# KiCad board panel.kicad_pcb (continued)
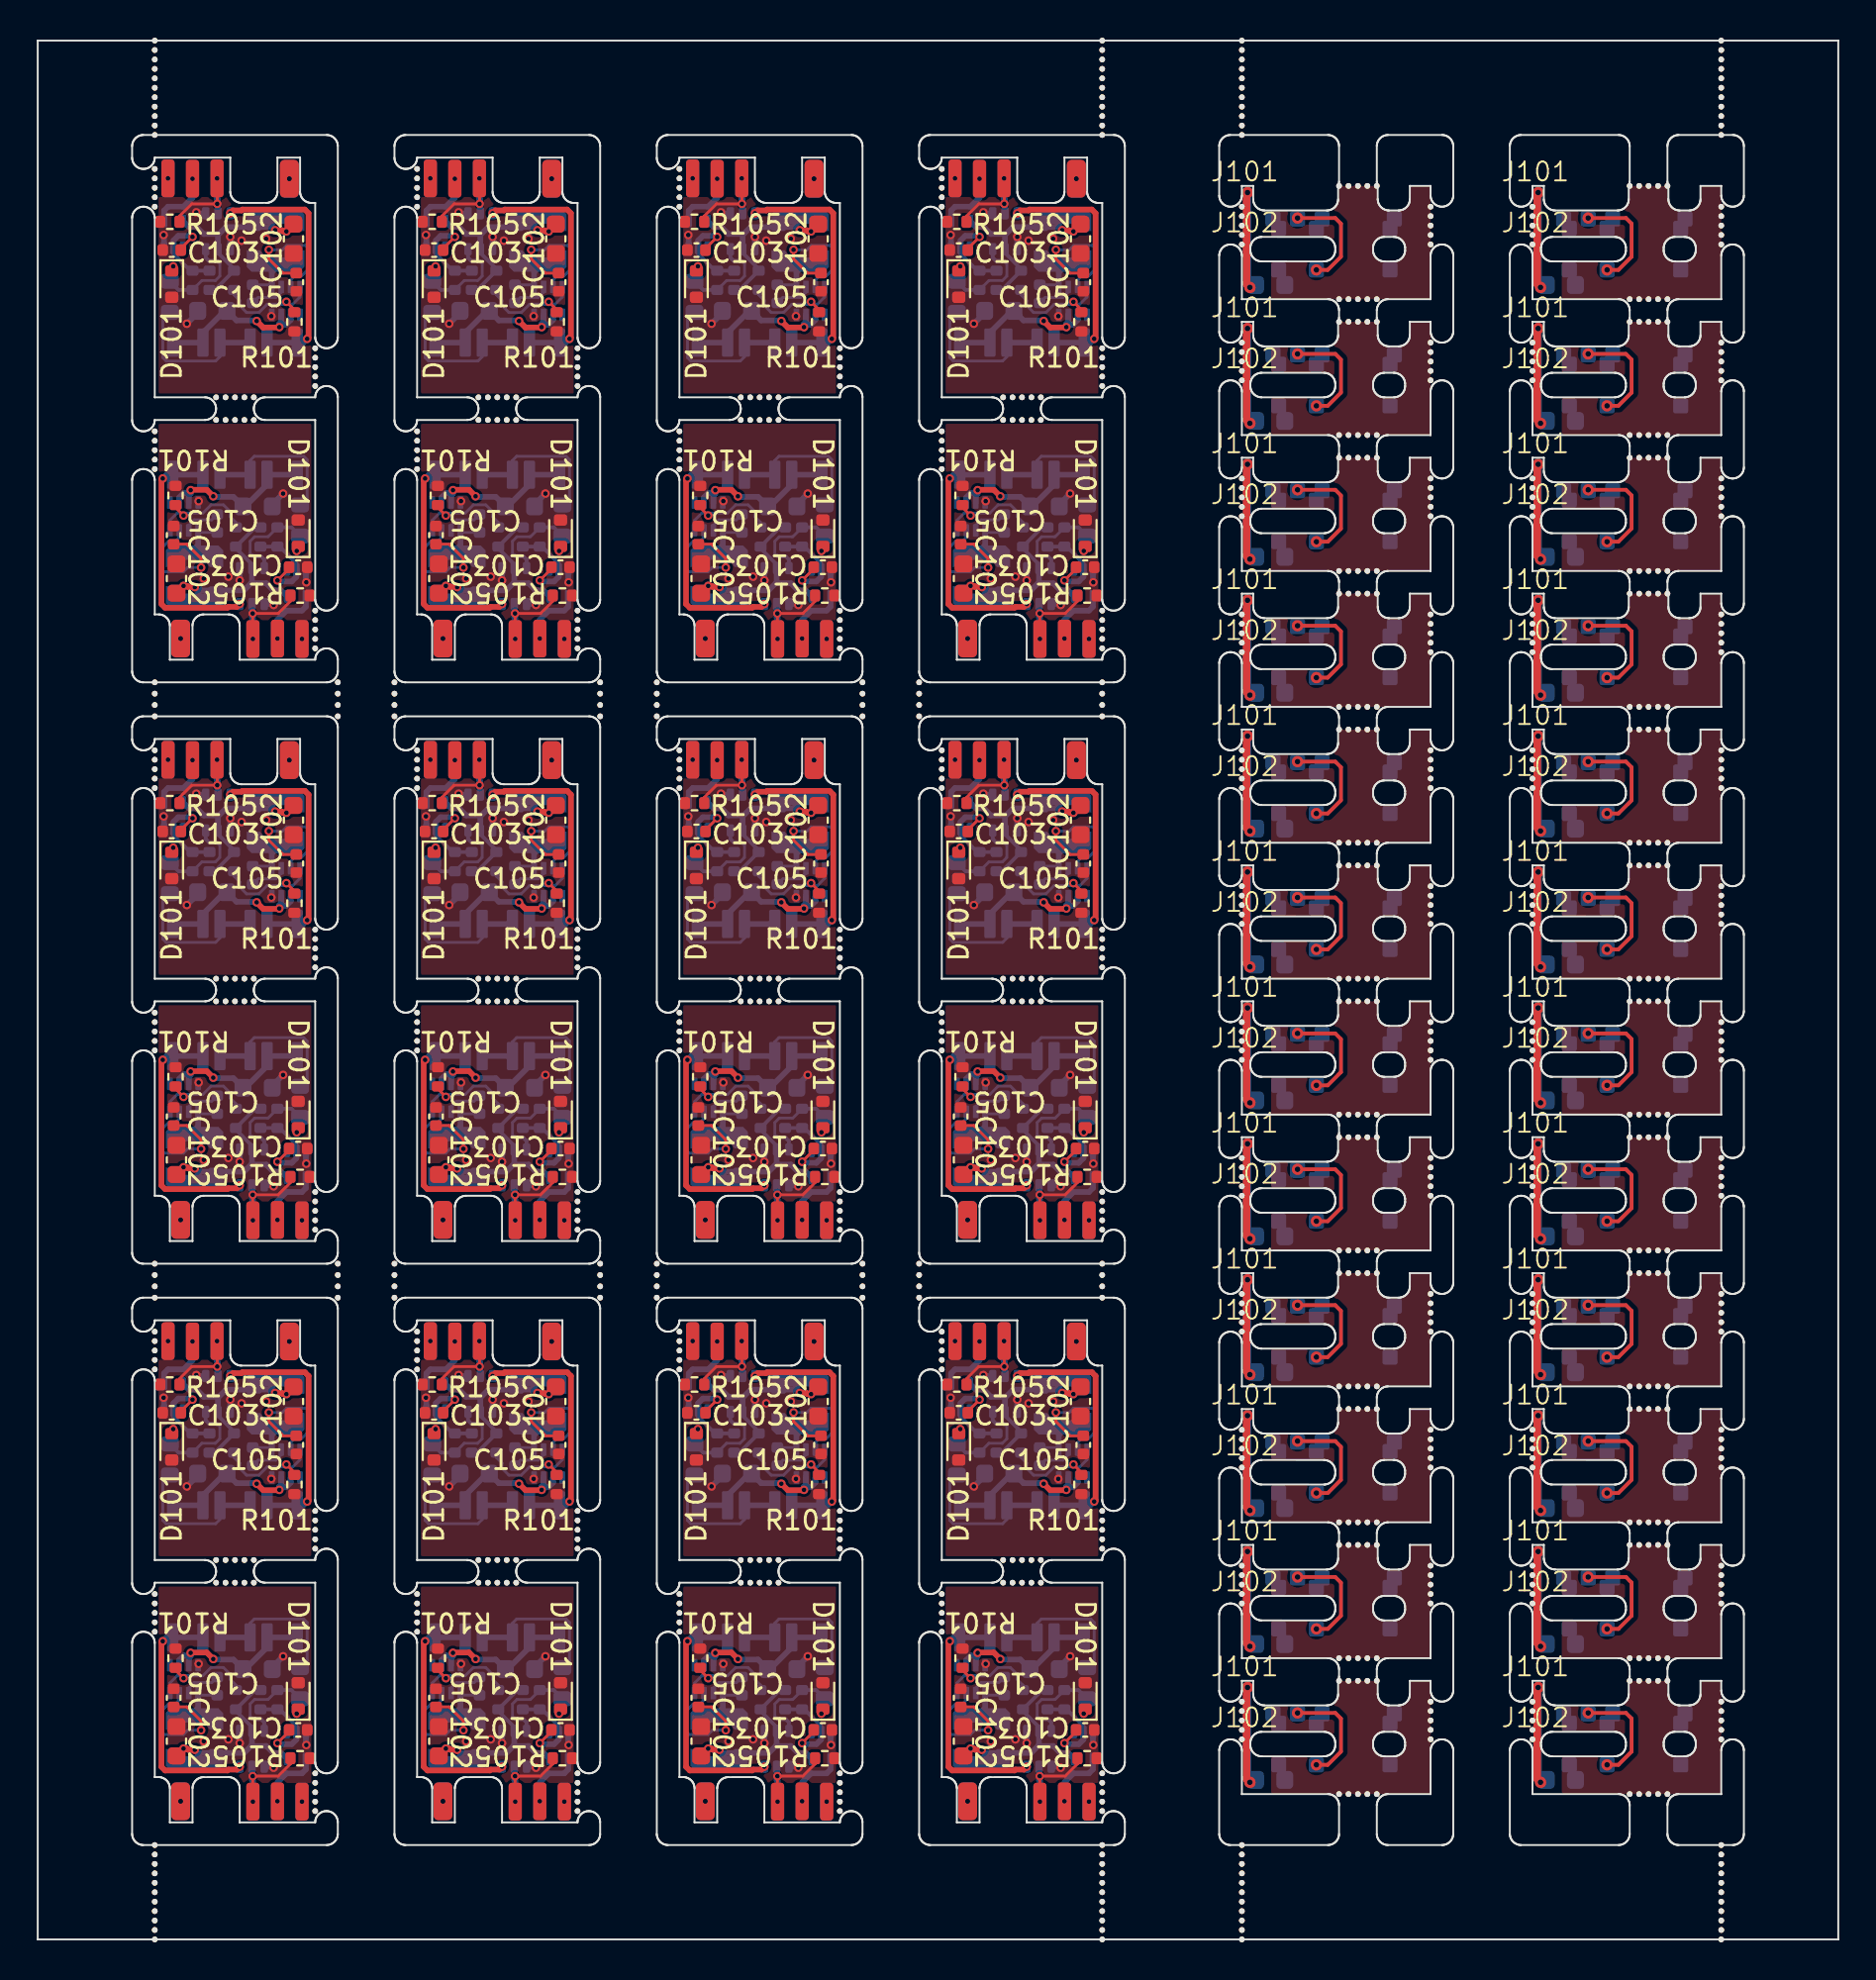
[diagram p0: board, top side]
## Routing (per net, layer and track width the routed paths; a pad name or vN(x,y) marks a point on that pad's centre or on a via; arc(x,y) is an arc through that point) (continued)
Board_0-Board_0-Board_6-/IO4: length 5.9
  Top w0.15: v1(39.19,70.25) 39.19,68.91 v1(39.2,68.9) ; v1(39.19,70.25) 39.19,70.35 ; v1(39.19,70.25) 40.54,70.25 41.19,70.9 R105#16.1
  Bottom w0.3: v1(39.2,68.9) 39.2,70 39.15,70.05 Q102#19.5
Board_0-Board_0-Board_6-/IO5: length 3.3
  Bottom w0.3: U102#6.4 42.01,70.61 41.8,70.4 40.98,70.4 40.5,69.92 v1(40.5,68.92)
Board_0-Board_0-Board_6-/SW: length 2.3
  Bottom w0.15: U103#6.5 36.41,74.54 C104#16.2
  Bottom w0.3: L101#20.1 36.1,73.67 36.3,73.87 U103#6.5
Board_0-Board_0-Board_6-/V+: length 8.7
  Top w0.3: v1(37.1,76.46) 36.76,76.8 35.92,76.8 v1(35.9,76.78)
  Bottom w0.3: H101#18.1 H101#18.1 39.95,77.07 38.8,75.92 C101#7.1 38.17,76.43 37.13,76.43 v1(37.1,76.46) ; U103#6.2 35.3,76.4 35.54,76.64 35.76,76.64 v1(35.9,76.78) 35.9,76.6 35.8,76.5 U103#6.3
Board_0-Board_0-Board_6-/V-: length 13.2
  Top w0.3: v1(34.42,77.4) 34.35,77.33 34.35,70.75 34.55,70.55 37.85,70.55 37.9,70.6 38.35,70.6 v1(38.5,70.75)
  Bottom w0.3: v1(34.42,77.4) 34.63,77.6 H103#19.1 H103#19.1
Board_0-Board_0-Board_6-GND: length 2.9
  Bottom w0.2: v1(36.33,76.2) 36.3,76.17 U103#6.4
  Bottom w0.3: v1(42.03,71.9) 42.01,71.92 U102#6.3 ; Q102#19.1 v1(38.5,72) ; C101#7.2 40.23,76.02 v1(40.8,76.6) ; v1(40.3,70.7) 40.25,70.75 Q102#19.4
  vias: v1(36.6,72.1) v1(37.9,72.2) v1(41.8,68.9)
Board_0-Board_0-Board_6-Net-(U103-SS): length 7.2
  Top w0.15: v1(36.45,72.68) 36.45,73.17 35.7,73.92 C105#19.1
  Bottom w0.15: v1(36.45,72.68) 35.74,72.68 35.52,72.46 34.5,72.46 34.34,72.61 34.34,73.69 34.73,74.08 35.1,74.08 35.3,74.28 U103#6.7
Board_0-Board_0-Board_7-+3V3: length 10.3
  Top w0.3: v1(49.42,71.71) 49.61,71.71 49.67,71.65 v1(50.02,71.65)
  Bottom w0.2: R106#3.1 53.22,74.81 R104#9.1 52.2,73.7 53.05,72.85 Q102#23.2
  Bottom w0.3: U102#22.5 54.59,71.47 54.18,71.47 53.81,71.85 53.1,71.85 53.05,71.9 ; L101#21.2 50,71.13 50.35,71.48 52.63,71.48 53.05,71.9 ; Q102#23.2 53.05,71.9
  vias: v1(49.27,68.92) v1(49.27,68.92)
Board_0-Board_0-Board_7-/BST: length 2
  Bottom w0.15: C104#9.1 50.92,75.21 49.98,75.21 49.7,74.93 U103#15.6
Board_0-Board_0-Board_7-/DBUS: length 8.1
  Bottom w0.15: H102#6.1 52.95,78.35 53.18,78.58 55.79,78.58 55.98,78.39 55.98,76.38 R103#23.1
  Bottom w0.3: H102#6.1 H102#6.1
Board_0-Board_0-Board_7-/DBUS_R: length 6.3
  Top w0.15: 55.5,73.64 v1(55.42,73.56)
  Bottom w0.15: R102#11.1 53.9,74.31 53.19,74.31 52.95,74.08 52.95,73.41 53.06,73.3 53.15,73.3 ; v1(55.42,73.56) 55.58,73.56 55.6,73.58 R103#23.2 55.56,74.31
  Bottom w0.2: R103#23.2 55.14,74.81 R102#11.1 ; 53.08,73.32 53.13,73.27 53.53,73.27 53.7,73.1 Q102#23.3
Board_0-Board_0-Board_7-/FB: length 5.9
  Top w0.15: R101#21.1 49,75.86 v1(49.43,75.44)
  Bottom w0.15: U103#15.8 48.7,75.18 49.09,75.57 50.45,75.57 50.88,76.01 51.54,76.01 51.9,75.64 51.9,75.37 52.2,75.07 R104#9.2
Board_0-Board_0-Board_7-/IN: length 5.1
  Top w0.15: C103#7.1 55.02,72.62 v1(54.4,72)
  Bottom w0.2: R106#3.2 R102#11.2 54.52,73.79 55.41,72.9 U102#22.2
  Bottom w0.3: v1(54.4,72) 54.46,71.94 55.16,71.94 55.41,72.19 U102#22.2
Board_0-Board_0-Board_7-/IO4: length 5.9
  Top w0.15: v1(53.09,70.25) 54.44,70.25 55.09,70.9 R105#5.1 ; v1(53.09,70.25) 53.09,68.91 v1(53.1,68.9) ; v1(53.09,70.25) 53.09,70.35
  Bottom w0.3: v1(53.1,68.9) 53.1,70 53.05,70.05 Q102#23.5
Board_0-Board_0-Board_7-/IO5: length 3.3
  Bottom w0.3: U102#22.4 55.91,70.61 55.7,70.4 54.88,70.4 54.4,69.92 v1(54.4,68.92)
Board_0-Board_0-Board_7-/SW: length 2.3
  Bottom w0.15: U103#15.5 50.31,74.54 C104#9.2
  Bottom w0.3: U103#15.5 50.2,73.87 50,73.67 L101#21.1
Board_0-Board_0-Board_7-/V+: length 8.7
  Top w0.3: v1(49.8,76.78) 49.82,76.8 50.66,76.8 v1(51,76.46)
  Bottom w0.3: H101#23.1 H101#23.1 53.85,77.07 52.7,75.92 C101#13.1 52.07,76.43 51.03,76.43 v1(51,76.46) ; U103#15.3 49.7,76.5 49.8,76.6 v1(49.8,76.78) 49.66,76.64 49.44,76.64 49.2,76.4 U103#15.2
Board_0-Board_0-Board_7-/V-: length 13.2
  Top w0.3: v1(52.4,70.75) 52.25,70.6 51.8,70.6 51.75,70.55 48.45,70.55 48.25,70.75 48.25,77.33 v1(48.33,77.4)
  Bottom w0.3: H103.1 H103.1 48.52,77.6 v1(48.33,77.4)
Board_0-Board_0-Board_7-GND: length 2.9
  Bottom w0.2: v1(50.23,76.2) 50.2,76.17 U103#15.4
  Bottom w0.3: C101#13.2 54.13,76.02 v1(54.7,76.6) ; Q102#23.1 v1(52.4,72) ; U102#22.3 55.91,71.92 v1(55.93,71.9) ; v1(54.2,70.7) 54.15,70.75 Q102#23.4
  vias: v1(50.5,72.1) v1(51.8,72.2) v1(55.7,68.9)
Board_0-Board_0-Board_7-Net-(U103-SS): length 7.2
  Top w0.15: v1(50.35,72.68) 50.35,73.17 49.6,73.92 C105#13.1
  Bottom w0.15: U103#15.7 49.2,74.28 49,74.08 48.63,74.08 48.24,73.69 48.24,72.61 48.4,72.46 49.42,72.46 49.64,72.68 v1(50.35,72.68)
Board_0-Board_0-Board_8-+3V3: length 10.3
  Top w0.3: v1(12.58,59.75) 12.93,59.75 12.99,59.69 v1(13.17,59.69)
  Bottom w0.2: R106#4.1 9.38,56.59 R104#19.1 10.4,57.7 9.55,58.55 Q102#15.2
  Bottom w0.3: L101#4.2 12.6,60.27 12.25,59.92 9.97,59.92 9.55,59.5 ; U102#17.5 8.01,59.93 8.42,59.93 8.79,59.55 9.5,59.55 9.55,59.5 ; 9.55,59.5 Q102#15.2
  vias: v1(13.33,62.48) v1(13.33,62.48)
Board_0-Board_0-Board_8-/BST: length 2
  Bottom w0.15: C104#7.1 11.68,56.19 12.62,56.19 12.9,56.47 U103#7.6
Board_0-Board_0-Board_8-/DBUS: length 8.1
  Bottom w0.15: H102.1 9.65,53.05 9.42,52.82 6.81,52.82 6.62,53.01 6.62,55.02 R103#11.1
  Bottom w0.3: H102.1 H102.1
Board_0-Board_0-Board_8-/DBUS_R: length 6.3
  Top w0.15: 7.1,57.76 v1(7.18,57.84)
  Bottom w0.15: 9.45,58.1 9.54,58.1 9.65,57.99 9.65,57.32 9.41,57.09 8.7,57.09 R102#18.1 ; v1(7.18,57.84) 7.02,57.84 7,57.82 R103#11.2 7.04,57.09
  Bottom w0.2: Q102#15.3 8.9,58.3 9.07,58.13 9.47,58.13 9.52,58.08 ; R102#18.1 7.46,56.59 R103#11.2
Board_0-Board_0-Board_8-/FB: length 5.9
  Top w0.15: v1(13.17,55.96) 13.6,55.54 R101#11.1
  Bottom w0.15: R104#19.2 10.4,56.33 10.7,56.03 10.7,55.76 11.06,55.39 11.72,55.39 12.15,55.83 13.51,55.83 13.9,56.22 U103#7.8
Board_0-Board_0-Board_8-/IN: length 5.1
  Top w0.15: v1(8.2,59.4) 7.58,58.78 C103#10.1
  Bottom w0.2: R106#4.2 R102#18.2 8.08,57.61 7.19,58.5 U102#17.2
  Bottom w0.3: U102#17.2 7.19,59.21 7.44,59.46 8.14,59.46 v1(8.2,59.4)
Board_0-Board_0-Board_8-/IO4: length 5.9
  Top w0.15: 9.51,61.05 v1(9.51,61.15) ; v1(9.51,61.15) 9.51,62.49 v1(9.5,62.5) ; v1(9.51,61.15) 8.16,61.15 7.51,60.5 R105#8.1
  Bottom w0.3: Q102#15.5 9.55,61.35 9.5,61.4 v1(9.5,62.5)
Board_0-Board_0-Board_8-/IO5: length 3.3
  Bottom w0.3: v1(8.2,62.48) 8.2,61.48 7.72,61 6.9,61 6.69,60.79 U102#17.4
Board_0-Board_0-Board_8-/SW: length 2.3
  Bottom w0.15: C104#7.2 12.29,56.86 U103#7.5
  Bottom w0.3: U103#7.5 12.4,57.53 12.6,57.73 L101#4.1
Board_0-Board_0-Board_8-/V+: length 8.7
  Top w0.3: v1(11.6,54.94) 11.94,54.6 12.78,54.6 v1(12.8,54.62)
  Bottom w0.3: U103#7.3 12.9,54.9 12.8,54.8 v1(12.8,54.62) 12.94,54.76 13.16,54.76 13.4,55 U103#7.2 ; H101#7.1 H101#7.1 8.75,54.33 9.9,55.48 C101#3.1 10.53,54.97 11.57,54.97 v1(11.6,54.94)
Board_0-Board_0-Board_8-/V-: length 13.2
  Top w0.3: v1(14.28,54) 14.35,54.07 14.35,60.65 14.15,60.85 10.85,60.85 10.8,60.8 10.35,60.8 v1(10.2,60.65)
  Bottom w0.3: H103#23.1 H103#23.1 14.08,53.8 v1(14.28,54)
Board_0-Board_0-Board_8-GND: length 2.9
  Bottom w0.2: U103#7.4 12.4,55.22 v1(12.38,55.2)
  Bottom w0.3: v1(7.9,54.8) 8.48,55.38 8.48,55.48 ; Q102#15.1 v1(10.2,59.4) ; v1(8.4,60.7) 8.45,60.65 Q102#15.4 ; U102#17.3 6.69,59.48 v1(6.67,59.5)
  vias: v1(6.9,62.5) v1(10.8,59.2) v1(12.1,59.3)
Board_0-Board_0-Board_8-Net-(U103-SS): length 7.2
  Top w0.15: C105#12.1 13,57.48 12.25,58.23 v1(12.25,58.72)
  Bottom w0.15: U103#7.7 13.4,57.12 13.6,57.32 13.97,57.32 14.36,57.71 14.36,58.79 14.2,58.94 13.18,58.94 12.96,58.72 v1(12.25,58.72)
Board_0-Board_0-Board_9-+3V3: length 10.3
  Top w0.3: v1(27.08,59.69) 26.89,59.69 26.83,59.75 v1(26.48,59.75)
  Bottom w0.2: Q102#17.2 23.45,58.55 24.3,57.7 R104#15.1 23.28,56.59 R106#21.1
  Bottom w0.3: U102#8.5 21.91,59.93 22.32,59.93 22.69,59.55 23.4,59.55 23.45,59.5 ; 23.45,59.5 23.87,59.92 26.15,59.92 26.5,60.27 L101#18.2 ; 23.45,59.5 Q102#17.2
  vias: v1(27.23,62.48) v1(27.23,62.48)
Board_0-Board_0-Board_9-/BST: length 2
  Bottom w0.15: C104#21.1 25.58,56.19 26.52,56.19 26.8,56.47 U103#8.6
Board_0-Board_0-Board_9-/DBUS: length 8.1
  Bottom w0.15: H102#12.1 23.55,53.05 23.32,52.82 20.71,52.82 20.52,53.01 20.52,55.02 R103#18.1
  Bottom w0.3: H102#12.1 H102#12.1
Board_0-Board_0-Board_9-/DBUS_R: length 6.3
  Top w0.15: 21,57.76 v1(21.08,57.84)
  Bottom w0.15: v1(21.08,57.84) 20.92,57.84 20.9,57.82 R103#18.2 20.94,57.09 ; R102#19.1 22.6,57.09 23.31,57.09 23.55,57.32 23.55,57.99 23.44,58.1 23.35,58.1
  Bottom w0.2: R103#18.2 21.36,56.59 R102#19.1 ; 23.42,58.08 23.37,58.13 22.97,58.13 22.8,58.3 Q102#17.3
Board_0-Board_0-Board_9-/FB: length 5.9
  Top w0.15: R101#4.1 27.5,55.54 v1(27.07,55.96)
  Bottom w0.15: R104#15.2 24.3,56.33 24.6,56.03 24.6,55.76 24.96,55.39 25.62,55.39 26.05,55.83 27.41,55.83 27.8,56.22 U103#8.8
Board_0-Board_0-Board_9-/IN: length 5.1
  Top w0.15: C103#16.1 21.48,58.78 v1(22.1,59.4)
  Bottom w0.2: U102#8.2 21.09,58.5 21.98,57.61 R102#19.2 R106#21.2
  Bottom w0.3: U102#8.2 21.09,59.21 21.34,59.46 22.04,59.46 v1(22.1,59.4)
Board_0-Board_0-Board_9-/IO4: length 5.9
  Top w0.15: 23.41,61.05 v1(23.41,61.15) ; v1(23.41,61.15) 22.06,61.15 21.41,60.5 R105#20.1 ; v1(23.41,61.15) 23.41,62.49 v1(23.4,62.5)
  Bottom w0.3: Q102#17.5 23.45,61.35 23.4,61.4 v1(23.4,62.5)
Board_0-Board_0-Board_9-/IO5: length 3.3
  Bottom w0.3: U102#8.4 20.59,60.79 20.8,61 21.62,61 22.1,61.48 v1(22.1,62.48)
Board_0-Board_0-Board_9-/SW: length 2.3
  Bottom w0.15: U103#8.5 26.19,56.86 C104#21.2
  Bottom w0.3: U103#8.5 26.3,57.53 26.5,57.73 L101#18.1
Board_0-Board_0-Board_9-/V+: length 8.7
  Top w0.3: v1(26.7,54.62) 26.68,54.6 25.84,54.6 v1(25.5,54.94)
  Bottom w0.3: U103#8.3 26.8,54.9 26.7,54.8 v1(26.7,54.62) 26.84,54.76 27.06,54.76 27.3,55 U103#8.2 ; v1(25.5,54.94) 25.47,54.97 24.43,54.97 23.92,55.48 23.8,55.48 22.65,54.33 H101#15.1 H101#15.1
Board_0-Board_0-Board_9-/V-: length 13.2
  Top w0.3: v1(28.17,54) 28.25,54.07 28.25,60.65 28.05,60.85 24.75,60.85 24.7,60.8 24.25,60.8 v1(24.1,60.65)
  Bottom w0.3: v1(28.17,54) 27.98,53.8 H103#13.1 H103#13.1
Board_0-Board_0-Board_9-GND: length 2.9
  Bottom w0.2: v1(26.28,55.2) 26.3,55.22 U103#8.4
  Bottom w0.3: v1(20.57,59.5) 20.59,59.48 U102#8.3 ; Q102#17.4 22.35,60.65 v1(22.3,60.7) ; Q102#17.1 v1(24.1,59.4) ; C101#16.2 22.38,55.38 v1(21.8,54.8)
  vias: v1(20.8,62.5) v1(24.7,59.2) v1(26,59.3)
Board_0-Board_0-Board_9-Net-(U103-SS): length 7.2
  Top w0.15: C105#5.1 26.9,57.48 26.15,58.23 v1(26.15,58.72)
  Bottom w0.15: U103#8.7 27.3,57.12 27.5,57.32 27.87,57.32 28.26,57.71 28.26,58.79 28.1,58.94 27.08,58.94 26.86,58.72 v1(26.15,58.72)
Board_0-Board_0-Board_10-+3V3: length 10.3
  Top w0.3: v1(40.98,59.69) 40.79,59.69 40.73,59.75 v1(40.38,59.75)
  Bottom w0.2: R106#16.1 37.18,56.59 R104#3.1 38.2,57.7 37.35,58.55 Q102#11.2
  Bottom w0.3: 37.35,59.5 37.77,59.92 40.05,59.92 40.4,60.27 L101#24.2 ; 37.35,59.5 Q102#11.2 ; 37.35,59.5 37.3,59.55 36.59,59.55 36.22,59.93 35.81,59.93 U102#15.5
  vias: v1(41.13,62.48) v1(41.13,62.48)
Board_0-Board_0-Board_10-/BST: length 2
  Bottom w0.15: U103#13.6 40.7,56.47 40.42,56.19 39.48,56.19 C104#11.1
Board_0-Board_0-Board_10-/DBUS: length 8.1
  Bottom w0.15: R103#5.1 34.42,55.02 34.42,53.01 34.61,52.82 37.22,52.82 37.45,53.05 H102#4.1
  Bottom w0.3: H102#4.1 H102#4.1
Board_0-Board_0-Board_10-/DBUS_R: length 6.3
  Top w0.15: 34.9,57.76 v1(34.98,57.84)
  Bottom w0.15: R102#21.1 36.5,57.09 37.21,57.09 37.45,57.32 37.45,57.99 37.34,58.1 37.25,58.1 ; 34.84,57.09 R103#5.2 34.8,57.82 34.82,57.84 v1(34.98,57.84)
  Bottom w0.2: R102#21.1 35.26,56.59 R103#5.2 ; Q102#11.3 36.7,58.3 36.87,58.13 37.27,58.13 37.32,58.08
Board_0-Board_0-Board_10-/FB: length 5.9
  Top w0.15: R101#8.1 41.4,55.54 v1(40.97,55.96)
  Bottom w0.15: R104#3.2 38.2,56.33 38.5,56.03 38.5,55.76 38.86,55.39 39.52,55.39 39.95,55.83 41.31,55.83 41.7,56.22 U103#13.8
Board_0-Board_0-Board_10-/IN: length 5.1
  Top w0.15: v1(36,59.4) 35.38,58.78 C103#17.1
  Bottom w0.2: R106#16.2 R102#21.2 35.88,57.61 34.99,58.5 U102#15.2
  Bottom w0.3: U102#15.2 34.99,59.21 35.24,59.46 35.94,59.46 v1(36,59.4)
Board_0-Board_0-Board_10-/IO4: length 5.9
  Top w0.15: v1(37.31,61.15) 35.96,61.15 35.31,60.5 R105#11.1 ; v1(37.31,61.15) 37.31,61.05 ; v1(37.31,61.15) 37.31,62.49 v1(37.3,62.5)
  Bottom w0.3: v1(37.3,62.5) 37.3,61.4 37.35,61.35 Q102#11.5
Board_0-Board_0-Board_10-/IO5: length 3.3
  Bottom w0.3: v1(36,62.48) 36,61.48 35.52,61 34.7,61 34.49,60.79 U102#15.4
Board_0-Board_0-Board_10-/SW: length 2.3
  Bottom w0.15: C104#11.2 40.09,56.86 U103#13.5
  Bottom w0.3: U103#13.5 40.2,57.53 40.4,57.73 L101#24.1
Board_0-Board_0-Board_10-/V+: length 8.7
  Top w0.3: v1(40.6,54.62) 40.58,54.6 39.74,54.6 v1(39.4,54.94)
  Bottom w0.3: v1(39.4,54.94) 39.37,54.97 38.33,54.97 C101#11.1 37.7,55.48 36.55,54.33 H101#19.1 H101#19.1 ; U103#13.2 41.2,55 40.96,54.76 40.74,54.76 v1(40.6,54.62) 40.6,54.8 40.7,54.9 U103#13.3
Board_0-Board_0-Board_10-/V-: length 13.2
  Top w0.3: v1(38,60.65) 38.15,60.8 38.6,60.8 38.65,60.85 41.95,60.85 42.15,60.65 42.15,54.07 v1(42.08,54)
  Bottom w0.3: v1(42.08,54) 41.88,53.8 H103#2.1 H103#2.1
Board_0-Board_0-Board_10-GND: length 2.9
  Bottom w0.2: v1(40.17,55.2) 40.2,55.22 U103#13.4
  Bottom w0.3: U102#15.3 34.49,59.48 v1(34.47,59.5) ; v1(35.7,54.8) 36.27,55.38 C101#11.2 ; Q102#11.1 v1(38,59.4) ; Q102#11.4 36.25,60.65 v1(36.2,60.7)
  vias: v1(34.7,62.5) v1(38.6,59.2) v1(39.9,59.3)
Board_0-Board_0-Board_10-Net-(U103-SS): length 7.2
  Top w0.15: C105#10.1 40.8,57.48 40.05,58.23 v1(40.05,58.72)
  Bottom w0.15: v1(40.05,58.72) 40.76,58.72 40.98,58.94 42,58.94 42.16,58.79 42.16,57.71 41.77,57.32 41.4,57.32 41.2,57.12 U103#13.7
Board_0-Board_0-Board_11-+3V3: length 10.3
  Top w0.3: v1(54.88,59.69) 54.69,59.69 54.63,59.75 v1(54.28,59.75)
  Bottom w0.2: Q102#4.2 51.25,58.55 52.1,57.7 R104#7.1 51.08,56.59 R106#2.1
  Bottom w0.3: L101#14.2 54.3,60.27 53.95,59.92 51.67,59.92 51.25,59.5 ; Q102#4.2 51.25,59.5 ; 51.25,59.5 51.2,59.55 50.49,59.55 50.12,59.93 49.71,59.93 U102#7.5
  vias: v1(55.03,62.48) v1(55.03,62.48)
Board_0-Board_0-Board_11-/BST: length 2
  Bottom w0.15: C104#6.1 53.38,56.19 54.32,56.19 54.6,56.47 U103#23.6
Board_0-Board_0-Board_11-/DBUS: length 8.1
  Bottom w0.15: R103#10.1 48.32,55.02 48.32,53.01 48.51,52.82 51.12,52.82 51.35,53.05 H102#14.1
  Bottom w0.3: H102#14.1 H102#14.1
Board_0-Board_0-Board_11-/DBUS_R: length 6.3
  Top w0.15: 48.8,57.76 v1(48.88,57.84)
  Bottom w0.15: v1(48.88,57.84) 48.72,57.84 48.7,57.82 R103#10.2 48.74,57.09 ; R102#14.1 50.4,57.09 51.11,57.09 51.35,57.32 51.35,57.99 51.24,58.1 51.15,58.1
  Bottom w0.2: 51.22,58.08 51.17,58.13 50.77,58.13 50.6,58.3 Q102#4.3 ; R103#10.2 49.16,56.59 R102#14.1
Board_0-Board_0-Board_11-/FB: length 5.9
  Top w0.15: R101#15.1 55.3,55.54 v1(54.87,55.96)
  Bottom w0.15: U103#23.8 55.6,56.22 55.21,55.83 53.85,55.83 53.42,55.39 52.76,55.39 52.4,55.76 52.4,56.03 52.1,56.33 R104#7.2
Board_0-Board_0-Board_11-/IN: length 5.1
  Top w0.15: v1(49.9,59.4) 49.28,58.78 C103#2.1
  Bottom w0.2: R106#2.2 R102#14.2 49.78,57.61 48.89,58.5 U102#7.2
  Bottom w0.3: U102#7.2 48.89,59.21 49.14,59.46 49.84,59.46 v1(49.9,59.4)
Board_0-Board_0-Board_11-/IO4: length 5.9
  Top w0.15: 51.21,61.05 v1(51.21,61.15) ; v1(51.21,61.15) 51.21,62.49 v1(51.2,62.5) ; v1(51.21,61.15) 49.86,61.15 49.21,60.5 R105#4.1
  Bottom w0.3: v1(51.2,62.5) 51.2,61.4 51.25,61.35 Q102#4.5
Board_0-Board_0-Board_11-/IO5: length 3.3
  Bottom w0.3: U102#7.4 48.39,60.79 48.6,61 49.42,61 49.9,61.48 v1(49.9,62.48)
Board_0-Board_0-Board_11-/SW: length 2.3
  Bottom w0.15: C104#6.2 53.99,56.86 U103#23.5
  Bottom w0.3: L101#14.1 54.3,57.73 54.1,57.53 U103#23.5
Board_0-Board_0-Board_11-/V+: length 8.7
  Top w0.3: v1(54.5,54.62) 54.48,54.6 53.64,54.6 v1(53.3,54.94)
  Bottom w0.3: U103#23.2 55.1,55 54.86,54.76 54.64,54.76 v1(54.5,54.62) 54.5,54.8 54.6,54.9 U103#23.3 ; H101#3.1 H101#3.1 50.45,54.33 51.6,55.48 C101#24.1 52.23,54.97 53.27,54.97 v1(53.3,54.94)
Board_0-Board_0-Board_11-/V-: length 13.2
  Top w0.3: v1(51.9,60.65) 52.05,60.8 52.5,60.8 52.55,60.85 55.85,60.85 56.05,60.65 56.05,54.07 v1(55.98,54)
  Bottom w0.3: H103#10.1 H103#10.1 55.77,53.8 v1(55.98,54)
Board_0-Board_0-Board_11-GND: length 2.9
  Bottom w0.2: U103#23.4 54.1,55.22 v1(54.08,55.2)
  Bottom w0.3: v1(50.1,60.7) 50.15,60.65 Q102#4.4 ; v1(49.6,54.8) 50.17,55.38 C101#24.2 ; Q102#4.1 v1(51.9,59.4) ; v1(48.37,59.5) 48.39,59.48 U102#7.3
  vias: v1(48.6,62.5) v1(52.5,59.2) v1(53.8,59.3)
Board_0-Board_0-Board_11-Net-(U103-SS): length 7.2
  Top w0.15: C105#18.1 54.7,57.48 53.95,58.23 v1(53.95,58.72)
  Bottom w0.15: U103#23.7 55.1,57.12 55.3,57.32 55.67,57.32 56.06,57.71 56.06,58.79 55.9,58.94 54.88,58.94 54.66,58.72 v1(53.95,58.72)
Board_0-Board_0-Board_12-+3V3: length 10.3
  Top w0.3: v1(7.73,40.91) 7.91,40.91 7.97,40.85 v1(8.32,40.85)
  Bottom w0.2: Q102#16.2 11.35,42.05 10.5,42.9 R104#24.1 11.52,44.01 R106#19.1
  Bottom w0.3: Q102#16.2 11.35,41.1 ; 11.35,41.1 10.93,40.68 8.65,40.68 8.3,40.33 L101#2.2 ; 11.35,41.1 11.4,41.05 12.11,41.05 12.48,40.67 12.89,40.67 U102#23.5
  vias: v1(7.57,38.12) v1(7.57,38.12)
Board_0-Board_0-Board_12-/BST: length 2
  Bottom w0.15: C104#15.1 9.22,44.41 8.28,44.41 8,44.13 U103#11.6
Board_0-Board_0-Board_12-/DBUS: length 8.1
  Bottom w0.15: R103#2.1 14.28,45.58 14.28,47.59 14.09,47.78 11.48,47.78 11.25,47.55 H102#20.1
  Bottom w0.3: H102#20.1 H102#20.1
Board_0-Board_0-Board_12-/DBUS_R: length 6.3
  Top w0.15: 13.8,42.84 v1(13.72,42.76)
  Bottom w0.15: R102#9.1 12.2,43.51 11.49,43.51 11.25,43.28 11.25,42.61 11.36,42.5 11.45,42.5 ; 13.86,43.51 R103#2.2 13.9,42.78 13.88,42.76 v1(13.72,42.76)
  Bottom w0.2: R102#9.1 13.44,44.01 R103#2.2 ; Q102#16.3 12,42.3 11.83,42.47 11.43,42.47 11.38,42.52
Board_0-Board_0-Board_12-/FB: length 5.9
  Top w0.15: R101#23.1 7.3,45.06 v1(7.73,44.64)
  Bottom w0.15: R104#24.2 10.5,44.27 10.2,44.57 10.2,44.84 9.84,45.21 9.18,45.21 8.75,44.77 7.39,44.77 7,44.38 U103#11.8
Board_0-Board_0-Board_12-/IN: length 5.1
  Top w0.15: v1(12.7,41.2) 13.32,41.82 C103#5.1
  Bottom w0.2: U102#23.2 13.71,42.1 12.82,42.99 R102#9.2 R106#19.2
  Bottom w0.3: v1(12.7,41.2) 12.76,41.14 13.46,41.14 13.71,41.39 U102#23.2
Board_0-Board_0-Board_12-/IO4: length 5.9
  Top w0.15: v1(11.39,39.45) 11.39,38.11 v1(11.4,38.1) ; v1(11.39,39.45) 11.39,39.55 ; v1(11.39,39.45) 12.74,39.45 13.39,40.1 R105#10.1
  Bottom w0.3: Q102#16.5 11.35,39.25 11.4,39.2 v1(11.4,38.1)
Board_0-Board_0-Board_12-/IO5: length 3.3
  Bottom w0.3: v1(12.7,38.12) 12.7,39.12 13.18,39.6 14,39.6 14.21,39.81 U102#23.4
Board_0-Board_0-Board_12-/SW: length 2.3
  Bottom w0.15: U103#11.5 8.61,43.74 C104#15.2
  Bottom w0.3: U103#11.5 8.5,43.07 8.3,42.87 L101#2.1
Board_0-Board_0-Board_12-/V+: length 8.7
  Top w0.3: v1(8.1,45.98) 8.12,46 8.96,46 v1(9.3,45.66)
  Bottom w0.3: v1(9.3,45.66) 9.33,45.63 10.37,45.63 C101#23.1 11,45.12 12.15,46.27 H101#2.1 H101#2.1 ; U103#11.3 8,45.7 8.1,45.8 v1(8.1,45.98) 7.96,45.84 7.74,45.84 7.5,45.6 U103#11.2
Board_0-Board_0-Board_12-/V-: length 13.2
  Top w0.3: v1(10.7,39.95) 10.55,39.8 10.1,39.8 10.05,39.75 6.75,39.75 6.55,39.95 6.55,46.53 v1(6.62,46.6)
  Bottom w0.3: H103#24.1 H103#24.1 6.83,46.8 v1(6.62,46.6)
Board_0-Board_0-Board_12-GND: length 2.9
  Bottom w0.2: U103#11.4 8.5,45.38 v1(8.53,45.4)
  Bottom w0.3: 12.42,45.12 12.42,45.22 v1(13,45.8) ; Q102#16.4 12.45,39.95 v1(12.5,39.9) ; U102#23.3 14.21,41.12 v1(14.23,41.1) ; Q102#16.1 v1(10.7,41.2)
  vias: v1(8.8,41.3) v1(10.1,41.4) v1(14,38.1)
Board_0-Board_0-Board_12-Net-(U103-SS): length 7.2
  Top w0.15: v1(8.65,41.88) 8.65,42.37 7.9,43.12 C105#17.1
  Bottom w0.15: U103#11.7 7.5,43.48 7.3,43.28 6.93,43.28 6.54,42.89 6.54,41.81 6.7,41.66 7.72,41.66 7.94,41.88 v1(8.65,41.88)
Board_0-Board_0-Board_13-+3V3: length 10.3
  Top w0.3: v1(21.62,40.91) 21.81,40.91 21.87,40.85 v1(22.22,40.85)
  Bottom w0.2: Q102#24.2 25.25,42.05 24.4,42.9 R104.1 25.42,44.01 R106#10.1
  Bottom w0.3: Q102#24.2 25.25,41.1 ; 25.25,41.1 25.3,41.05 26.01,41.05 26.38,40.67 26.79,40.67 U102#19.5 ; 25.25,41.1 24.83,40.68 22.55,40.68 22.2,40.33 L101#8.2
  vias: v1(21.47,38.12) v1(21.47,38.12)
Board_0-Board_0-Board_13-/BST: length 2
  Bottom w0.15: U103#21.6 21.9,44.13 22.18,44.41 23.12,44.41 C104#8.1
Board_0-Board_0-Board_13-/DBUS: length 8.1
  Bottom w0.15: R103#21.1 28.18,45.58 28.18,47.59 27.99,47.78 25.38,47.78 25.15,47.55 H102#19.1
  Bottom w0.3: H102#19.1 H102#19.1
Board_0-Board_0-Board_13-/DBUS_R: length 6.3
  Top w0.15: 27.7,42.84 v1(27.62,42.76)
  Bottom w0.15: 25.35,42.5 25.26,42.5 25.15,42.61 25.15,43.28 25.39,43.51 26.1,43.51 R102#24.1 ; 27.76,43.51 R103#21.2 27.8,42.78 27.78,42.76 v1(27.62,42.76)
  Bottom w0.2: R103#21.2 27.34,44.01 R102#24.1 ; Q102#24.3 25.9,42.3 25.73,42.47 25.33,42.47 25.28,42.52
Board_0-Board_0-Board_13-/FB: length 5.9
  Top w0.15: R101#9.1 21.2,45.06 v1(21.63,44.64)
  Bottom w0.15: R104.2 24.4,44.27 24.1,44.57 24.1,44.84 23.74,45.21 23.08,45.21 22.65,44.77 21.29,44.77 20.9,44.38 U103#21.8
Board_0-Board_0-Board_13-/IN: length 5.1
  Top w0.15: v1(26.6,41.2) 27.22,41.82 C103#6.1
  Bottom w0.2: R106#10.2 R102#24.2 26.72,42.99 27.61,42.1 U102#19.2
  Bottom w0.3: U102#19.2 27.61,41.39 27.36,41.14 26.66,41.14 v1(26.6,41.2)
Board_0-Board_0-Board_13-/IO4: length 5.9
  Top w0.15: R105#13.1 27.29,40.1 26.64,39.45 v1(25.29,39.45) ; v1(25.3,38.1) 25.29,38.11 v1(25.29,39.45) ; v1(25.29,39.45) 25.29,39.55
  Bottom w0.3: v1(25.3,38.1) 25.3,39.2 25.25,39.25 Q102#24.5
Board_0-Board_0-Board_13-/IO5: length 3.3
  Bottom w0.3: U102#19.4 28.11,39.81 27.9,39.6 27.08,39.6 26.6,39.12 v1(26.6,38.12)
Board_0-Board_0-Board_13-/SW: length 2.3
  Bottom w0.15: U103#21.5 22.51,43.74 C104#8.2
  Bottom w0.3: L101#8.1 22.2,42.87 22.4,43.07 U103#21.5
Board_0-Board_0-Board_13-/V+: length 8.7
  Top w0.3: v1(22,45.98) 22.02,46 22.86,46 v1(23.2,45.66)
  Bottom w0.3: U103#21.3 21.9,45.7 22,45.8 v1(22,45.98) 21.86,45.84 21.64,45.84 21.4,45.6 U103#21.2 ; v1(23.2,45.66) 23.23,45.63 24.27,45.63 24.78,45.12 24.9,45.12 26.05,46.27 H101.1 H101.1
Board_0-Board_0-Board_13-/V-: length 13.2
  Top w0.3: v1(24.6,39.95) 24.45,39.8 24,39.8 23.95,39.75 20.65,39.75 20.45,39.95 20.45,46.53 v1(20.53,46.6)
  Bottom w0.3: H103#8.1 H103#8.1 20.73,46.8 v1(20.53,46.6)
Board_0-Board_0-Board_13-GND: length 2.9
  Bottom w0.2: v1(22.42,45.4) 22.4,45.38 U103#21.4
  Bottom w0.3: Q102#24.4 26.35,39.95 v1(26.4,39.9) ; C101#18.2 26.33,45.22 v1(26.9,45.8) ; Q102#24.1 v1(24.6,41.2) ; v1(28.13,41.1) 28.11,41.12 U102#19.3
  vias: v1(22.7,41.3) v1(24,41.4) v1(27.9,38.1)
Board_0-Board_0-Board_13-Net-(U103-SS): length 7.2
  Top w0.15: v1(22.55,41.88) 22.55,42.37 21.8,43.12 C105#3.1
  Bottom w0.15: U103#21.7 21.4,43.48 21.2,43.28 20.83,43.28 20.44,42.89 20.44,41.81 20.6,41.66 21.62,41.66 21.84,41.88 v1(22.55,41.88)
Board_0-Board_0-Board_14-+3V3: length 10.3
  Top w0.3: v1(35.52,40.91) 35.71,40.91 35.77,40.85 v1(36.12,40.85)
  Bottom w0.2: R106#18.1 39.32,44.01 R104#21.1 38.3,42.9 39.15,42.05 Q102#12.2
  Bottom w0.3: Q102#12.2 39.15,41.1 ; 39.15,41.1 38.73,40.68 36.45,40.68 36.1,40.33 L101#11.2 ; 39.15,41.1 39.2,41.05 39.91,41.05 40.28,40.67 40.69,40.67 U102#16.5
  vias: v1(35.37,38.12) v1(35.37,38.12)
Board_0-Board_0-Board_14-/BST: length 2
  Bottom w0.15: U103#20.6 35.8,44.13 36.08,44.41 37.02,44.41 C104#14.1
Board_0-Board_0-Board_14-/DBUS: length 8.1
  Bottom w0.15: R103.1 42.08,45.58 42.08,47.59 41.89,47.78 39.28,47.78 39.05,47.55 H102#21.1
  Bottom w0.3: H102#21.1 H102#21.1
Board_0-Board_0-Board_14-/DBUS_R: length 6.3
  Top w0.15: 41.6,42.84 v1(41.52,42.76)
  Bottom w0.15: 39.25,42.5 39.16,42.5 39.05,42.61 39.05,43.28 39.29,43.51 40,43.51 R102#6.1 ; 41.66,43.51 R103.2 41.7,42.78 41.68,42.76 v1(41.52,42.76)
  Bottom w0.2: R102#6.1 41.24,44.01 R103.2 ; Q102#12.3 39.8,42.3 39.63,42.47 39.23,42.47 39.18,42.52
Board_0-Board_0-Board_14-/FB: length 5.9
  Top w0.15: v1(35.53,44.64) 35.1,45.06 R101#17.1
  Bottom w0.15: R104#21.2 38.3,44.27 38,44.57 38,44.84 37.64,45.21 36.98,45.21 36.55,44.77 35.19,44.77 34.8,44.38 U103#20.8
Board_0-Board_0-Board_14-/IN: length 5.1
  Top w0.15: C103#4.1 41.12,41.82 v1(40.5,41.2)
  Bottom w0.2: R106#18.2 R102#6.2 40.62,42.99 41.51,42.1 U102#16.2
  Bottom w0.3: v1(40.5,41.2) 40.56,41.14 41.26,41.14 41.51,41.39 U102#16.2
Board_0-Board_0-Board_14-/IO4: length 5.9
  Top w0.15: v1(39.2,38.1) 39.19,38.11 v1(39.19,39.45) ; v1(39.19,39.45) 40.54,39.45 41.19,40.1 R105#7.1 ; v1(39.19,39.45) 39.19,39.55
  Bottom w0.3: v1(39.2,38.1) 39.2,39.2 39.15,39.25 Q102#12.5
Board_0-Board_0-Board_14-/IO5: length 3.3
  Bottom w0.3: v1(40.5,38.12) 40.5,39.12 40.98,39.6 41.8,39.6 42.01,39.81 U102#16.4
Board_0-Board_0-Board_14-/SW: length 2.3
  Bottom w0.15: U103#20.5 36.41,43.74 C104#14.2
  Bottom w0.3: U103#20.5 36.3,43.07 36.1,42.87 L101#11.1
Board_0-Board_0-Board_14-/V+: length 8.7
  Top w0.3: v1(35.9,45.98) 35.92,46 36.76,46 v1(37.1,45.66)
  Bottom w0.3: v1(37.1,45.66) 37.13,45.63 38.17,45.63 C101#15.1 38.8,45.12 39.95,46.27 H101#12.1 H101#12.1 ; U103#20.3 35.8,45.7 35.9,45.8 v1(35.9,45.98) 35.76,45.84 35.54,45.84 35.3,45.6 U103#20.2